# Altium PCB SPG_300.PcbDoc (part 1 of 7) (continued)
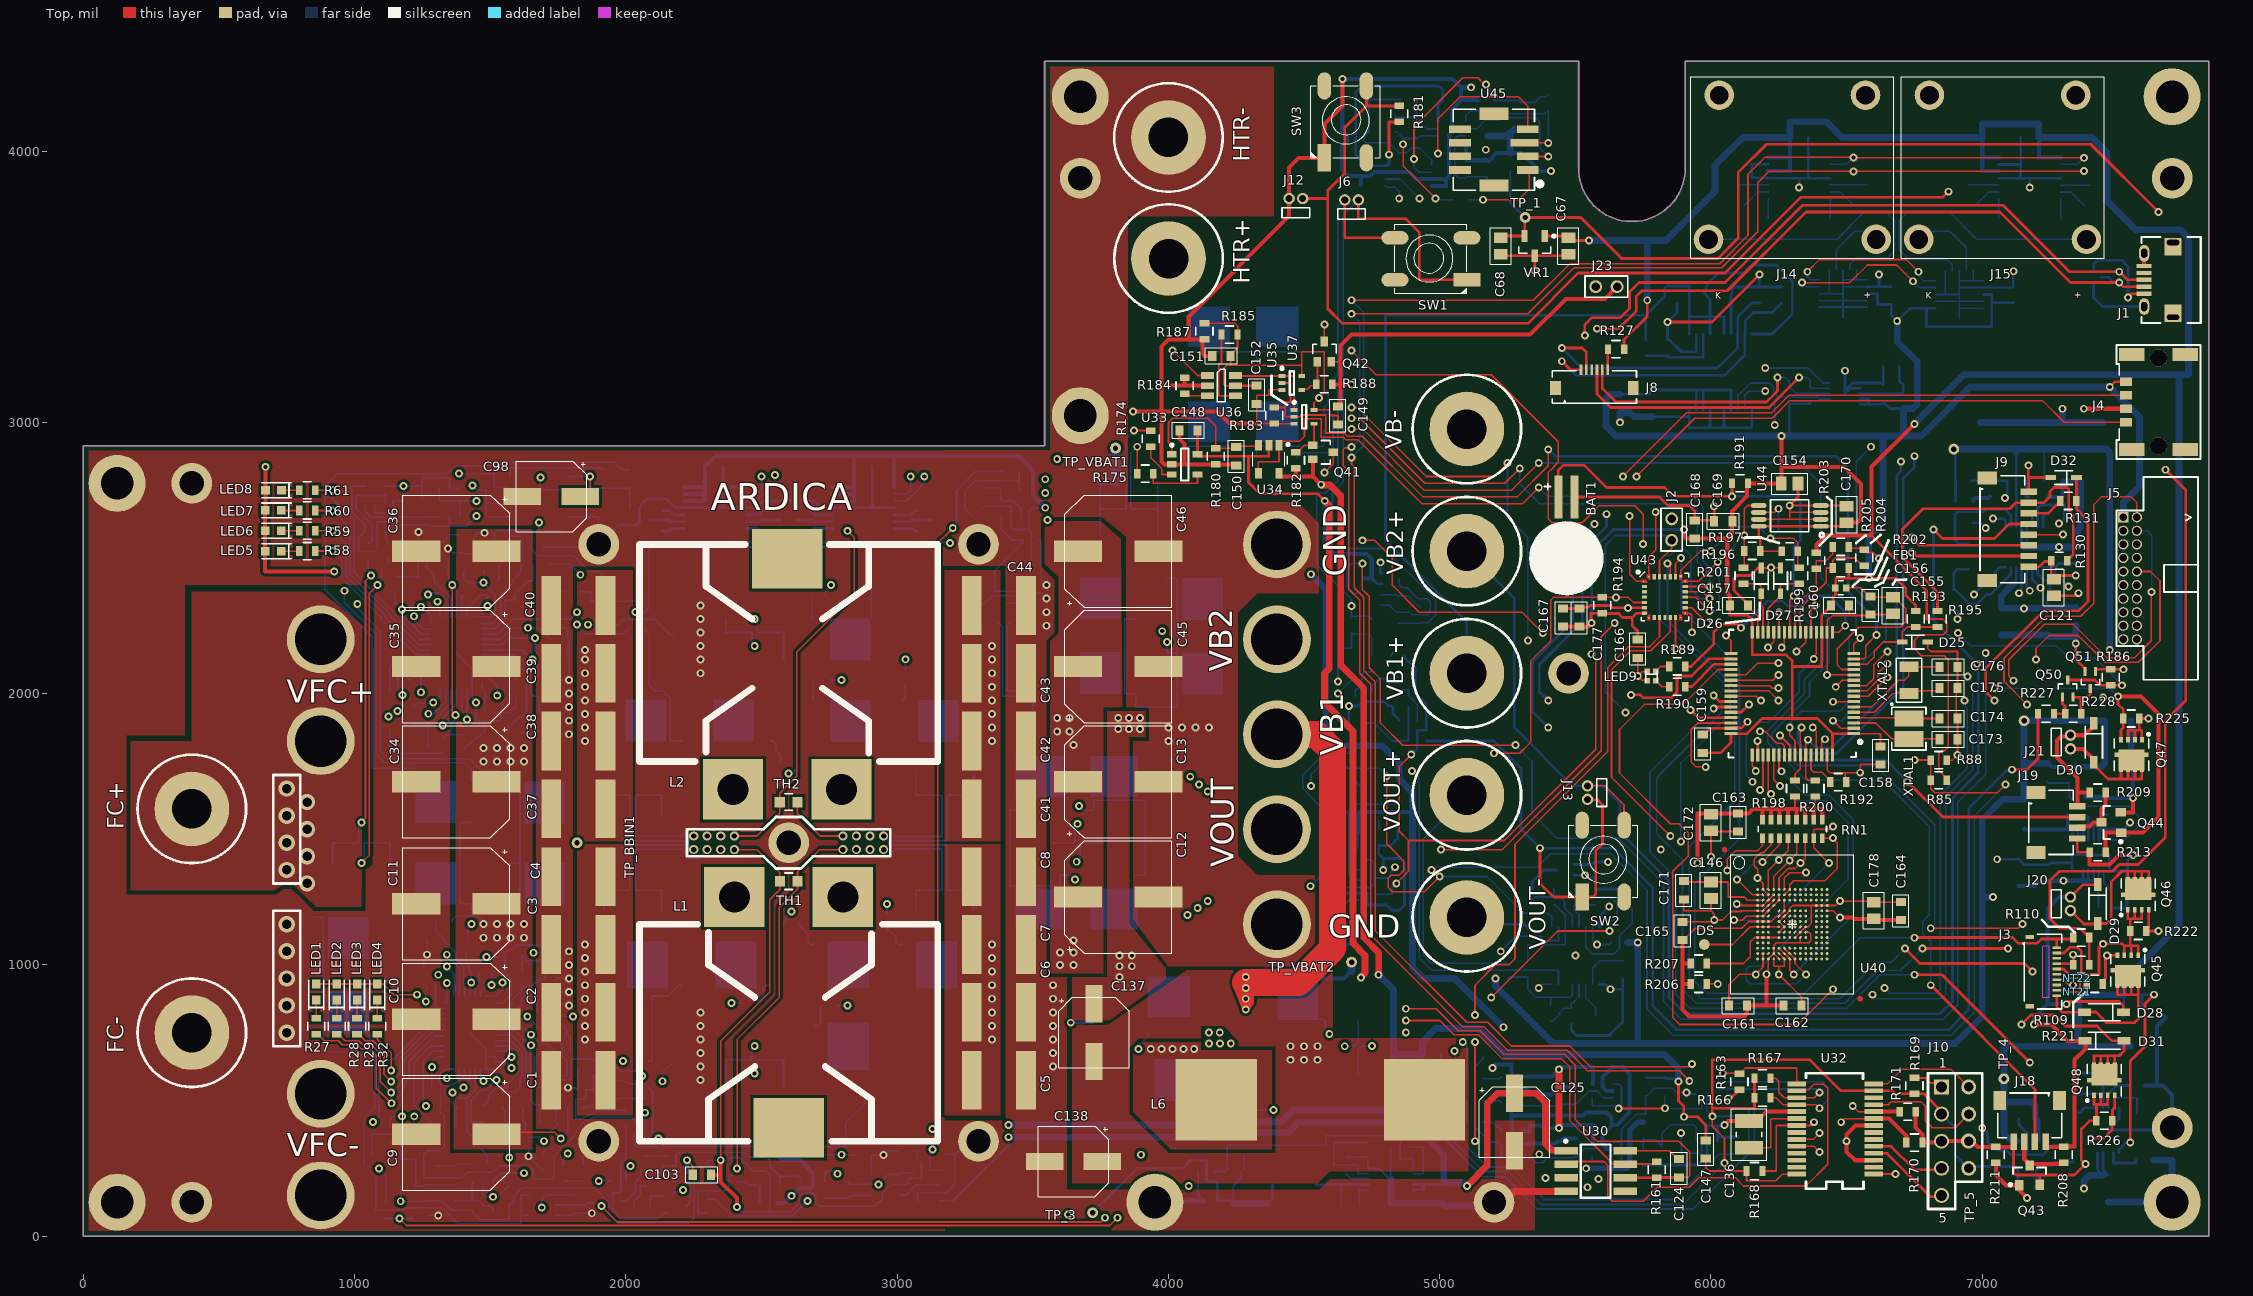
[diagram p0: Top view]
## Components (designator, comment, footprint, x,y, rotation, side; value= is the part's Value field where it differs from the comment)
BAT1 "Battery" "FDK ML621 Battery" 5466.73,2498.54 r180 top value=ML621-TZ1
C1 "CAP SMD 2220" "CAPC 2220" 1824.96,575 r180 top value="10uF, 50V, X7R"
C2 "CAP SMD 2220" "CAPC 2220" 1824.96,825 r180 top value="10uF, 50V, X7R"
C3 "CAP SMD 2220" "CAPC 2220" 1824.96,1075 r180 top value="10uF, 50V, X7R"
C4 "CAP SMD 2220" "CAPC 2220" 1824.96,1325 r180 top value="10uF, 50V, X7R"
C5 "CAP SMD 2220" "CAPC 2220" 3374.96,575 r0 top value="10uF, 50V, X7R"
C6 "CAP SMD 2220" "CAPC 2220" 3374.96,825 r0 top value="10uF, 50V, X7R"
C7 "CAP SMD 2220" "CAPC 2220" 3374.96,1075 r0 top value="10uF, 50V, X7R"
C8 "CAP SMD 2220" "CAPC 2220" 3374.96,1325 r0 top value="10uF, 50V, X7R"
C9 "CAP AE 10x10mm" "CAPAE CASE 8.3mm x 10.5mm" 1374.96,375 r270 top value="100uF, 50V"
C10 "CAP AE 10x10mm" "CAPAE CASE 8.3mm x 10.5mm" 1374.96,800 r270 top value="100uF, 50V"
C11 "CAP AE 10x10mm" "CAPAE CASE 8.3mm x 10.5mm" 1374.96,1225 r270 top value="100uF, 50V"
C12 "CAP AE 10x10mm" "CAPAE CASE 8.3mm x 10.5mm" 3814.96,1250 r90 top value="100uF, 50V"
C13 "CAP AE 10x10mm" "CAPAE CASE 8.3mm x 10.5mm" 3814.96,1675 r90 top value="100uF, 50V"
C14 "CAP SMD 0805  H=0.85mm" "CAPC 0805 (2012 Metric)_H0.85" 1252,537 r0 bottom value=0.22uF
C15 "CAP SMD 0603 h=0.8mm" "CAPC 0603 (1608 Metric) H0.8L" 1704.96,885 r0 bottom value=1nF
C16 "CAP SMD 0805  H=0.85mm" "CAPC 0805 (2012 Metric)_H0.85" 1344.96,460 r180 bottom value=0.22uF
C17 "CAP SMD 0603 h=0.8mm" "CAPC 0603 (1608 Metric) H0.8L" 1704.96,945 r0 bottom value=1nF
C18 "CAP SMD 0603 h=0.8mm" "CAPC 0603 (1608 Metric) H0.8L" 1614.96,885 r270 bottom value=10pF
C19 "CAP SMD 0603 h=0.8mm" "CAPC 0603 (1608 Metric) H0.8L" 1584.96,1037.5 r0 bottom value=0.1uF
C20 "CAP SMD 0805 H=1.25mm" "CAPC 0805 (2012 Metric)_H1.25" 1298.06,1090 r180 bottom value=1uF
C21 "CAP SMD 0603 h=0.8mm" "CAPC 0603 (1608 Metric) H0.8L" 1791,622 r180 bottom value=10pF
C22 "CAP SMD 0603 h=0.8mm" "CAPC 0603 (1608 Metric) H0.8L" 1714.27,547.24 r0 bottom value=10pF
C23 "CAP SMD 0805 H=1.25mm" "CAPC 0805 (2012 Metric)_H1.25" 1484.01,340 r0 bottom value="4.7uF, 16V"
C24 "CAP SMD 0805 H=1.25mm" "CAPC 0805 (2012 Metric)_H1.25" 1417.08,1071.92 r90 bottom value="4.7uF, 16V"
C25 "CAP SMD 0805 H=1.25mm" "CAPC 0805 (2012 Metric)_H1.25" 1254.88,963.74 r90 bottom value="4.7uF, 16V"
C26 "CAP SMD 0603 h=0.8mm" "CAPC 0603 (1608 Metric) H0.8L" 1714.27,416.63 r0 bottom value=10nF
C27 "CAP SMD 0603 h=0.8mm" "CAPC 0603 (1608 Metric) H0.8L" 1035,305 r180 bottom value=10nF
C28 "CAP SMD 0805 H=1.25mm" "CAPC 0805 (2012 Metric)_H1.25" 1752,754 r0 bottom value="4.7uF, 16V"
C29 "CAP SMD 0805 H=1.25mm" "CAPC 0805 (2012 Metric)_H1.25" 1470.63,450 r270 bottom value="1uF, 16V"
C30 "CAP SMD 0603 h=0.8mm" "CAPC 0603 (1608 Metric) H0.8L" 1595.47,417.9 r0 bottom value=15nF
C31 "CAP SMD 0603 h=0.8mm" "CAPC 0603 (1608 Metric) H0.8L" 1613.26,516.93 r270 bottom value=220pF
C32 "CAP SMD 0603 h=0.8mm" "CAPC 0603 (1608 Metric) H0.8L" 1570.19,150 r270 bottom value=0.1uF
C33 "CAP SMD 1206 H=1.35mm" "CAPC 1206 (3216 Metric)_H1.35" 1170,233.5 r270 bottom value=4.7uF
C34 "CAP AE 10x10mm" "CAPAE CASE 8.3mm x 10.5mm" 1374.96,1675 r270 top value="100uF, 50V"
C35 "CAP AE 10x10mm" "CAPAE CASE 8.3mm x 10.5mm" 1374.96,2100 r270 top value="100uF, 50V"
C36 "CAP AE 10x10mm" "CAPAE CASE 8.3mm x 10.5mm" 1374.96,2525 r270 top value="100uF, 50V"
C37 "CAP SMD 2220" "CAPC 2220" 1824.96,1575 r180 top value="10uF, 50V, X7R"
C38 "CAP SMD 2220" "CAPC 2220" 1824.96,1825 r180 top value="10uF, 50V, X7R"
C39 "CAP SMD 2220" "CAPC 2220" 1824.96,2075 r180 top value="10uF, 50V, X7R"
C40 "CAP SMD 2220" "CAPC 2220" 1824.96,2325 r180 top value="10uF, 50V, X7R"
C41 "CAP SMD 2220" "CAPC 2220" 3374.96,1575 r0 top value="10uF, 50V, X7R"
C42 "CAP SMD 2220" "CAPC 2220" 3374.96,1825 r0 top value="10uF, 50V, X7R"
C43 "CAP SMD 2220" "CAPC 2220" 3374.96,2075 r0 top value="10uF, 50V, X7R"
C44 "CAP SMD 2220" "CAPC 2220" 3374.96,2325 r0 top value="10uF, 50V, X7R"
C45 "CAP AE 10x10mm" "CAPAE CASE 8.3mm x 10.5mm" 3814.96,2100 r90 top value="100uF, 50V"
C46 "CAP AE 10x10mm" "CAPAE CASE 8.3mm x 10.5mm" 3814.96,2525 r90 top value="100uF, 50V"
C47 "CAP SMD 0603 h=0.8mm" "CAPC 0603 (1608 Metric) H0.8L" 1690,2345 r0 bottom value=1nF
C48 "CAP SMD 0805 H=1.25mm" "CAPC 0805 (2012 Metric)_H1.25" 1200,2080 r270 bottom value=0.22uF
C49 "CAP SMD 0603 h=0.8mm" "CAPC 0603 (1608 Metric) H0.8L" 1691.06,2409.65 r0 bottom value=1nF
C50 "CAP SMD 0805 H=1.25mm" "CAPC 0805 (2012 Metric)_H1.25" 1215.51,1916.57 r90 bottom value=0.22uF
C51 "CAP SMD 0603 h=0.8mm" "CAPC 0603 (1608 Metric) H0.8L" 1589.37,2312.97 r270 bottom value=10pF
C52 "CAP SMD 0603 h=0.8mm" "CAPC 0603 (1608 Metric) H0.8L" 1578.38,2485 r180 bottom value=0.1uF
C53 "CAP SMD 0805 H=1.25mm" "CAPC 0805 (2012 Metric)_H1.25" 1263.46,2430 r180 bottom value=1uF
C54 "CAP SMD 0603 h=0.8mm" "CAPC 0603 (1608 Metric) H0.8L" 1755,2123.82 r180 bottom value=10pF
C55 "CAP SMD 0603 h=0.8mm" "CAPC 0603 (1608 Metric) H0.8L" 1710,2055 r0 bottom value=10pF
C56 "CAP SMD 0805 H=1.25mm" "CAPC 0805 (2012 Metric)_H1.25" 1406.22,1828.08 r270 bottom value="4.7uF, 16V"
C57 "CAP SMD 0805 H=1.25mm" "CAPC 0805 (2012 Metric)_H1.25" 1265,2516.5 r180 bottom value="4.7uF, 16V"
C58 "CAP SMD 0805 H=1.25mm" "CAPC 0805 (2012 Metric)_H1.25" 1150,2400 r90 bottom value="4.7uF, 16V"
C59 "CAP SMD 0603 h=0.8mm" "CAPC 0603 (1608 Metric) H0.8L" 1710,1990 r0 bottom value=10nF
C60 "CAP SMD 1210 H=1.9mm" "CAPC 1210 (3225 Metric)_H1.9" 5625,815 r0 bottom value="47uF, 6.3V"
C61 "CAP SMD 0805 H=1.25mm" "CAPC 0805 (2012 Metric)_H1.25" 1755,2197.5 r0 bottom value="4.7uF, 16V"
C62 "CAP SMD 0805 H=1.25mm" "CAPC 0805 (2012 Metric)_H1.25" 1594.25,2019.53 r270 bottom value="1uF, 16V"
C63 "CAP SMD 0603 h=0.8mm" "CAPC 0603 (1608 Metric) H0.8L" 1710,1860 r0 bottom value=15nF
C64 "CAP SMD 0603 h=0.8mm" "CAPC 0603 (1608 Metric) H0.8L" 1513.54,1862.01 r180 bottom value=220pF
C65 "CAP SMD 0603 h=0.8mm" "CAPC 0603 (1608 Metric) H0.8L" 4670,110.65 r180 bottom value=0.1uF
C66 "CAP SMD 0603 h=0.8mm" "CAPC 0603 (1608 Metric) H0.8L" 7350,1550 r180 bottom value=0.1uF
C67 "CAP SMD 0805 H=1.25mm" "CAPC 0805 (2012 Metric)_H1.25" 5475,3650 r270 top value="1uF, 16V"
C68 "CAP SMD 0805 H=1.25mm" "CAPC 0805 (2012 Metric)_H1.25" 5225,3650 r270 top value="1uF, 16V"
C69 "CAP SMD 0603 h=0.8mm" "CAPC 0603 (1608 Metric) H0.8L" 7240,1710 r270 bottom value=10pF
C70 "CAP SMD 1210 H=0.9mm" "CAPC 1210 (3225 Metric)_H0.9" 7500,1900 r0 bottom value="22uF, 16V"
C71 "CAP SMD 1210 H=0.9mm" "CAPC 1210 (3225 Metric)_H0.9" 7500,1750 r0 bottom value="22uF, 16V"
C72 "CAP SMD 0603 h=0.8mm" "CAPC 0603 (1608 Metric) H0.8L" 7500,1279.53 r0 bottom value=10nF
C73 "CAP SMD 0805 H=1.25mm" "CAPC 0805 (2012 Metric)_H1.25" 7460,1585 r90 bottom value="1uF, 16V"
C74 "CAP SMD 0603 h=0.8mm" "CAPC 0603 (1608 Metric) H0.8L" 4249.96,300.47 r0 bottom value=10pF
C75 "CAP SMD 1210 H=0.9mm" "CAPC 1210 (3225 Metric)_H0.9" 4180,130 r180 bottom value="22uF, 16V"
C76 "CAP SMD 0603 h=0.8mm" "CAPC 0603 (1608 Metric) H0.8L" 1402.28,2485 r90 bottom value=10nF
C77 "CAP SMD 0805 H=1.25mm" "CAPC 0805 (2012 Metric)_H1.25" 4655,260.83 r90 bottom value="1uF, 16V"
C78 "CAP SMD 0603 h=0.8mm" "CAPC 0603 (1608 Metric) H0.8L" 7355,488.07 r90 bottom value=0.1uF
C79 "CAP SMD 0603 h=0.8mm" "CAPC 0603 (1608 Metric) H0.8L" 7555,890 r180 bottom value=10pF
C80 "CAP SMD 1210 H=0.9mm" "CAPC 1210 (3225 Metric)_H0.9" 7595,700.79 r0 bottom value="22uF, 16V"
C81 "CAP SMD 1210 H=0.9mm" "CAPC 1210 (3225 Metric)_H0.9" 7134.49,1340 r90 bottom value="4.7uF, 50V"
C82 "CAP SMD 0805 H=1.25mm" "CAPC 0805 (2012 Metric)_H1.25" 7570.31,555 r0 bottom value="1uF, 16V"
C83 "CAP SMD 0603 h=0.8mm" "CAPC 0603 (1608 Metric) H0.8L" 6895,2350 r270 bottom value=0.1uF
C84 "CAP SMD 0603 h=0.8mm" "CAPC 0603 (1608 Metric) H0.8L" 6932.6,2630 r0 bottom value=0.1uF
C85 "CAP SMD 0603 h=0.8mm" "CAPC 0603 (1608 Metric) H0.8L" 7262.6,2785 r0 bottom value=0.1uF
C86 "CAP SMD 1210 H=0.9mm" "CAPC 1210 (3225 Metric)_H0.9" 5015,160 r270 bottom value="4.7uF, 50V"
C87 "CAP SMD 1210 H=1.9mm" "CAPC 1210 (3225 Metric)_H1.9" 6994.57,2950.44 r90 bottom value="10uF, 16V"
C88 "CAP SMD 1210 H=0.9mm" "CAPC 1210 (3225 Metric)_H0.9" 7464.37,175 r270 bottom value="4.7uF, 50V"
C89 "CAP SMD 1210 H=1.9mm" "CAPC 1210 (3225 Metric)_H1.9" 7145.04,2950.44 r90 bottom value="10uF, 16V"
C90 "CAP SMD 1210 H=1.9mm" "CAPC 1210 (3225 Metric)_H1.9" 7240,2265 r270 bottom value="4.7uF, 50V"
C91 "CAP SMD 1210 H=1.9mm" "CAPC 1210 (3225 Metric)_H1.9" 7295.04,2950.44 r90 bottom value="10uF, 16V"
C92 "CAP SMD 1210 H=1.9mm" "CAPC 1210 (3225 Metric)_H1.9" 7070,2265 r270 bottom value="4.7uF, 50V"
C93 "CAP SMD 1210 H=1.9mm" "CAPC 1210 (3225 Metric)_H1.9" 7445.04,2950.44 r90 bottom value="10uF, 16V"
C94 "CAP SMD 0805 H=1.25mm" "CAPC 0805 (2012 Metric)_H1.25" 7165,435 r180 bottom value="1uF, 16V"
C95 "CAP SMD 0603 h=0.8mm" "CAPC 0603 (1608 Metric) H0.8L" 6932.6,2710 r0 bottom value=33pF
C96 "CAP SMD 0603 h=0.8mm" "CAPC 0603 (1608 Metric) H0.8L" 7125.07,2784.53 r0 bottom value=1nF
C97 "CAP SMD 0805 H=1.25mm" "CAPC 0805 (2012 Metric)_H1.25" 7350,2510 r90 bottom value="4.7uF, 16V"
C98 "CAP AE CASE D8" "CAPAE CASE D8" 1725,2726.92 r270 top value="100uF, 50V"
C99 "CAP SMD 0603 h=0.8mm" "CAPC 0603 (1608 Metric) H0.8L" 7345,2285 r270 bottom value=0.1uF
C100 "CAP SMD 0805 H=1.25mm" "CAPC 0805 (2012 Metric)_H1.25" 7040,302 r90 bottom value="1uF, 16V"
C101 "CAP SMD 0603 h=0.8mm" "CAPC 0603 (1608 Metric) H0.8L" 7265,302.52 r90 bottom value=100pF
C102 "CAP SMD 1210 H=0.9mm" "CAPC 1210 (3225 Metric)_H0.9" 5785,3070 r270 bottom value="22uF, 16V"
C103 "CAP SMD 0603 h=0.8mm" "CAPC 0603 (1608 Metric) H0.8L" 2280,226.06 r180 top value=0.1uF
C104 "CAP SMD 0603 h=0.8mm" "CAPC 0603 (1608 Metric) H0.8L" 1927,539.68 r90 bottom value=0.1uF
C105 "CAP SMD 0603 h=0.8mm" "CAPC 0603 (1608 Metric) H0.8L" 2645,242.84 r90 bottom value=0.1uF
C106 "CAP SMD 0603 h=0.8mm" "CAPC 0603 (1608 Metric) H0.8L" 2324.56,2836 r0 bottom value=0.1uF
C107 "CAP SMD 0603 h=0.8mm" "CAPC 0603 (1608 Metric) H0.8L" 2875,2836 r0 bottom value=0.1uF
C108 "CAP SMD 0603 h=0.8mm" "CAPC 0603 (1608 Metric) H0.8L" 6325,4050 r0 bottom value=0.1uF
C109 "CAP SMD 0603 h=0.8mm" "CAPC 0603 (1608 Metric) H0.8L" 7175,4050 r180 bottom value=0.1uF
C110 "CAP SMD 0603 h=0.8mm" "CAPC 0603 (1608 Metric) H0.8L" 4665,1485 r180 bottom value=0.1uF
C111 "CAP SMD 0603 h=0.8mm" "CAPC 0603 (1608 Metric) H0.8L" 4845,1563.11 r270 bottom value=1nF
C112 "CAP SMD 0805 H=1.25mm" "CAPC 0805 (2012 Metric)_H1.25" 5325,1105 r90 bottom value="1uF, 16V"
C113 "CAP SMD 0603 h=0.8mm" "CAPC 0603 (1608 Metric) H0.8L" 4884.09,1900 r180 bottom value=DNI
C114 "CAP SMD 0603 h=0.8mm" "CAPC 0603 (1608 Metric) H0.8L" 5675,980 r270 bottom value=0.1uF
C115 "CAP SMD 0603 h=0.8mm" "CAPC 0603 (1608 Metric) H0.8L" 1920,2789.98 r90 bottom value=10nF
C116 "CAP SMD 0805 H=1.25mm" "CAPC 0805 (2012 Metric)_H1.25" 1810.15,115 r270 bottom value="1uF, 16V"
C117 "CAP SMD 0603 h=0.8mm" "CAPC 0603 (1608 Metric) H0.8L" 1075,2765 r0 bottom value=0.1uF
C118 "CAP SMD 0603 h=0.8mm" "CAPC 0603 (1608 Metric) H0.8L" 1250,2685 r90 bottom value=1nF
C119 "CAP SMD 1210 H=0.9mm" "CAPC 1210 (3225 Metric)_H0.9" 6025,3475 r180 bottom value="22uF, 16V"
C120 "CAP SMD 0603 h=0.8mm" "CAPC 0603 (1608 Metric) H0.8L" 4750,2240 r270 bottom value=1UF
C121 "CAP SMD 0805 H=1.25mm" "CAPC 0805 (2012 Metric)_H1.25" 7265,2391.34 r270 top value="1uF, 16V"
C122 "CAP SMD 0603 h=0.8mm" "CAPC 0603 (1608 Metric) H0.8L" 6634.17,3105.95 r90 bottom value=0.1uF
C123 "CAP SMD 0603 h=0.8mm" "CAPC 0603 (1608 Metric) H0.8L" 5875,3469.32 r90 bottom value=0.1uF
C124 "CAP SMD 0603 h=0.8mm" "CAPC 0603 (1608 Metric) H0.8L" 5882.05,250 r90 top value=10nF
C125 "CAP AE CASE D8" "CAPAE CASE D8" 5275,420.57 r0 top value="100uF, 50V"
C126 "CAP SMD 0603 h=0.8mm" "CAPC 0603 (1608 Metric) H0.8L" 5665,3070 r270 bottom value=0.1uF
C127 "CAP SMD 0603 h=0.8mm" "CAPC 0603 (1608 Metric) H0.8L" 3040,315 r180 bottom value=0.1uF
C128 "CAP SMD 0603 h=0.8mm" "CAPC 0603 (1608 Metric) H0.8L" 3285,2685 r180 bottom value=0.1uF
C129 "CAP SMD 0603 h=0.8mm" "CAPC 0603 (1608 Metric) H0.8L" 3497.2,2485.85 r0 bottom value=0.1uF
C130 "CAP SMD 0603 h=0.8mm" "CAPC 0603 (1608 Metric) H0.8L" 5369.15,555 r270 bottom value=0.1uF
C131 "CAP SMD 0603 h=0.8mm" "CAPC 0603 (1608 Metric) H0.8L" 5370,375 r270 bottom value=0.1uF
C132 "CAP SMD 0603 h=0.8mm" "CAPC 0603 (1608 Metric) H0.8L" 5500,326.22 r90 bottom value=0.1uF
C133 "CAP SMD 0603 h=0.8mm" "CAPC 0603 (1608 Metric) H0.8L" 5600,619.88 r0 bottom value=0.1uF
C134 "CAP SMD 0603 h=0.8mm" "CAPC 0603 (1608 Metric) H0.8L" 5600,410 r0 bottom value=0.1uF
C135 "CAP SMD 0603 h=0.8mm" "CAPC 0603 (1608 Metric) H0.8L" 5500,521.54 r90 bottom value=0.1uF
C136 "CAP SMD 1210 H=1.9mm" "CAPC 1210 (3225 Metric)_H1.9" 6140,375 r90 top value="10uF, 16V"
C137 "CAP AE CASE D8" "CAPAE CASE D8" 3724.96,750 r0 top value="100uF, 50V"
C138 "CAP AE CASE D8" "CAPAE CASE D8" 3649.96,275 r270 top value="100uF, 50V"
C139 "CAP SMD 0805 H=1.25mm" "CAPC 0805 (2012 Metric)_H1.25" 7114.49,3471.18 r90 bottom value="1uF, 16V"
C140 "CAP SMD 0603 h=0.8mm" "CAPC 0603 (1608 Metric) H0.8L" 6100,398.94 r270 bottom value=0.1uF
C141 "CAP SMD 0603 h=0.8mm" "CAPC 0603 (1608 Metric) H0.8L" 5830,550.39 r90 bottom value=100pF
C142 "CAP SMD 0603 h=0.8mm" "CAPC 0603 (1608 Metric) H0.8L" 5760,550.39 r90 bottom value=100pF
C143 "CAP SMD 0603 h=0.8mm" "CAPC 0603 (1608 Metric) H0.8L" 5890,295.94 r270 bottom value=100pF
C144 "CAP SMD 0603 h=0.8mm" "CAPC 0603 (1608 Metric) H0.8L" 5820,295.94 r270 bottom value=100pF
C145 "CAP SMD 0603 h=0.8mm" "CAPC 0603 (1608 Metric) H0.8L" 4970,670 r180 bottom value=0.1uF
C146 "CAP SMD 0805 H=1.25mm" "CAPC 0805 (2012 Metric)_H1.25" 6000,1275 r270 top value="1uF, 16V"
C147 "CAP SMD 0603 h=0.8mm" "CAPC 0603 (1608 Metric) H0.8L" 5980.47,320 r90 top value=0.1uF
C148 "CAP SMD 0603 h=0.8mm" "CAPC 0603 (1608 Metric) H0.8L" 4073.78,2970 r180 top value=0.1uF
C149 "CAP SMD 0603 h=0.8mm" "CAPC 0603 (1608 Metric) H0.8L" 4625,3025 r90 top value=0.1uF
C150 "CAP SMD 0603 h=0.8mm" "CAPC 0603 (1608 Metric) H0.8L" 4250,2875 r270 top value=1nF
C151 "CAP SMD 0603 h=0.8mm" "CAPC 0603 (1608 Metric) H0.8L" 4195,3245 r0 top value=0.1uF
C152 "CAP SMD 0603 h=0.8mm" "CAPC 0603 (1608 Metric) H0.8L" 4325,3101.69 r270 top value=0.1uF
C153 "CAP SMD 0805 H=1.25mm" "CAPC 0805 (2012 Metric)_H1.25" 6664.13,3465 r90 bottom value="1uF, 16V"
C154 "CAP SMD 0805 H=1.25mm" "CAPC 0805 (2012 Metric)_H1.25" 6290,2775 r0 top value="1uF, 16V"
C155 "CAP SMD 0805 H=1.25mm" "CAPC 0805 (2012 Metric)_H1.25" 6670.47,2325 r270 top value="1uF, 16V"
C156 "CAP SMD 0603 h=0.8mm" "CAPC 0603 (1608 Metric) H0.8L" 6587.99,2325 r270 top value=0.1uF
C157 "CAP SMD 0603 h=0.8mm" "CAPC 0603 (1608 Metric) H0.8L" 6103.15,2325 r0 top value=0.1uF
C158 "CAP SMD 0603 h=0.8mm" "CAPC 0603 (1608 Metric) H0.8L" 6625,1772.32 r270 top value=0.1uF
C159 "CAP SMD 0603 h=0.8mm" "CAPC 0603 (1608 Metric) H0.8L" 5969.8,1815 r90 top value=0.1uF
C160 "CAP SMD 0603 h=0.8mm" "CAPC 0603 (1608 Metric) H0.8L" 6475,2325 r0 top value=0.1uF
C161 "CAP SMD 0603 h=0.8mm" "CAPC 0603 (1608 Metric) H0.8L" 6100,850 r180 top value=0.1uF
C162 "CAP SMD 0603 h=0.8mm" "CAPC 0603 (1608 Metric) H0.8L" 6300,850 r0 top value=0.1uF
C163 "CAP SMD 0603 h=0.8mm" "CAPC 0603 (1608 Metric) H0.8L" 6100,1525 r270 top value=0.1uF
C164 "CAP SMD 0603 h=0.8mm" "CAPC 0603 (1608 Metric) H0.8L" 6700,1198.94 r90 top value=0.1uF
C165 "CAP SMD 0603 h=0.8mm" "CAPC 0603 (1608 Metric) H0.8L" 5895,1125 r90 top value=0.1uF
C166 "CAP SMD 0603 h=0.8mm" "CAPC 0603 (1608 Metric) H0.8L" 5730,2165 r270 top value=0.1uF
C167 "CAP SMD 0603 h=0.8mm" "CAPC 0603 (1608 Metric) H0.8L" 5455,2280 r90 top value=0.1uF
C168 "CAP SMD 0603 h=0.8mm" "CAPC 0603 (1608 Metric) H0.8L" 5940,2605 r90 top value=0.1uF
C169 "CAP SMD 0603 h=0.8mm" "CAPC 0603 (1608 Metric) H0.8L" 6045,2635 r180 top value=0.1uF
C170 "CAP SMD 0805 H=1.25mm" "CAPC 0805 (2012 Metric)_H1.25" 6500,2660 r90 top value="1uF, 16V"
C171 "CAP SMD 0603 h=0.8mm" "CAPC 0603 (1608 Metric) H0.8L" 5900,1275 r270 top value=0.1uF
C172 "CAP SMD 0805 H=1.25mm" "CAPC 0805 (2012 Metric)_H1.25" 6000,1525 r270 top value="2.2uF, 16V"
C173 "CAP SMD 0603 h=0.8mm" "CAPC 0603 (1608 Metric) H0.8L" 6875,1831.69 r0 top value=6.8pF
C174 "CAP SMD 0603 h=0.8mm" "CAPC 0603 (1608 Metric) H0.8L" 6875,1908.15 r0 top value=6.8pF
C175 "CAP SMD 0603 h=0.8mm" "CAPC 0603 (1608 Metric) H0.8L" 6875,2020 r0 top value=22pF
C176 "CAP SMD 0603 h=0.8mm" "CAPC 0603 (1608 Metric) H0.8L" 6875,2098.43 r0 top value=22pF
C177 "CAP SMD 0603 h=0.8mm" "CAPC 0603 (1608 Metric) H0.8L" 5515,2280 r90 top value=0.1uF
C178 "CAP SMD 0805 H=1.25mm" "CAPC 0805 (2012 Metric)_H1.25" 6600,1200 r90 top value="2.2uF, 16V"
C179 "CAP SMD 1210 H=1.9mm" "CAPC 1210 (3225 Metric)_H1.9" 5295,4129.53 r270 bottom value="10uF, 16V"
C180 "CAP SMD 1210 H=1.9mm" "CAPC 1210 (3225 Metric)_H1.9" 4690,4154.53 r180 bottom value="10uF, 16V"
C181 "CAP SMD 0603 h=0.8mm" "CAPC 0603 (1608 Metric) H0.8L" 5260,3959.53 r90 bottom value=0.1uF
C182 "CAP SMD 0603 h=0.8mm" "CAPC 0603 (1608 Metric) H0.8L" 5045,4189.44 r0 bottom value=0.1uF
C183 "CAP SMD 0603 h=0.8mm" "CAPC 0603 (1608 Metric) H0.8L" 5096.57,3934.53 r90 bottom value=0.1uF
C184 "CAP SMD 0603 h=0.8mm" "CAPC 0603 (1608 Metric) H0.8L" 4855,330 r180 bottom value=DNI
C185 "CAP SMD 0603 h=0.8mm" "CAPC 0603 (1608 Metric) H0.8L" 7600,280 r0 bottom value=DNI
C186 "CAP SMD 0603 h=0.8mm" "CAPC 0603 (1608 Metric) H0.8L" 4710,3909.53 r270 bottom value=0.1uF
C187 "CAP SMD 0603 h=0.8mm" "CAPC 0603 (1608 Metric) H0.8L" 4916.85,4079.53 r270 bottom value=10nF
C188 "CAP SMD 0603 h=0.8mm" "CAPC 0603 (1608 Metric) H0.8L" 4916.85,1825 r0 bottom value=0.1uF
C189 "CAP SMD 0805 H=1.25mm" "CAPC 0805 (2012 Metric)_H1.25" 4692.34,1891.73 r180 bottom value="1uF, 16V"